# Allegro board RK3588S_Tablet_Demo_LP4XD200P232SD10H2_V11_20220218.brd (continued)
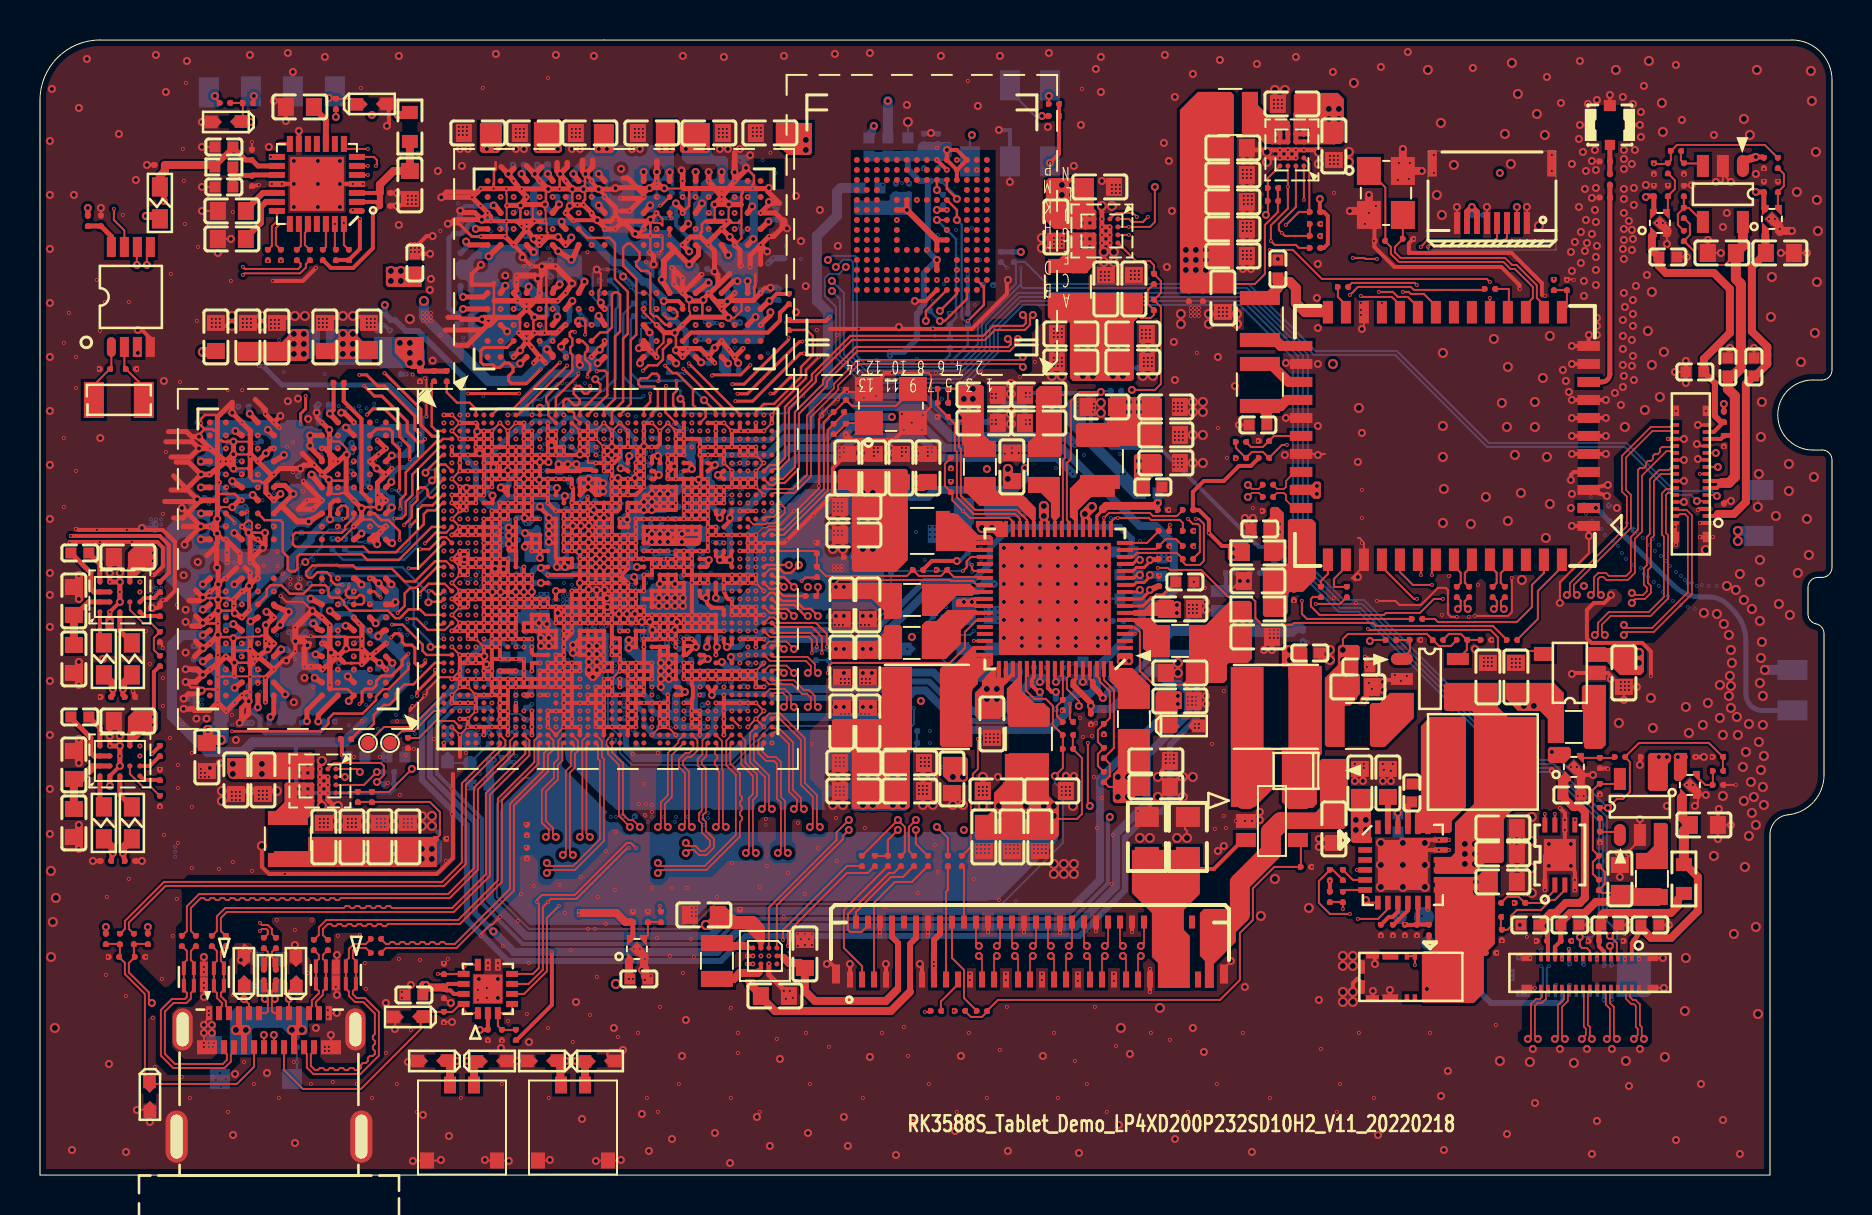
[diagram p0: board, top side]
## Routing (per net, layer and track width the routed paths; a pad name or vN(x,y) marks a point on that pad's centre or on a via; arc(x,y) is an arc through that point) (continued)
  TOP w0.3: 12.07,33.45 12.09,33.45 12.86,32.68 v5(13.43,32.68) ; U3801.R8 31.74,46.25 31.19,45.7 31.19,44.88 v5(31.09,44.77)
  BOTTOM w0.102: v5(9.72,29.53) 9.37,29.18 8.82,29.18 ; v5(26.67,50.05) 27.02,49.7 27.26,49.7 27.58,49.38 ; 8.82,29.18 8.5,29.18 v5(8.14,29.53) ; 8.82,29.18 8.5,28.86 8.5,28.62 v5(8.14,28.26) ; v5(27.94,50.05) 27.58,49.7 27.58,49.38 ; v5(8.05,33.08) 8.71,32.43 9.39,32.43 v5(9.71,32.1) ; 27.58,49.38 27.58,48.83 v5(27.94,48.48) ; v5(31.48,50.14) 30.83,49.49 30.83,48.81 v5(30.51,48.48)
  BOTTOM w0.2: v5(17.77,28.65) 17.39,28.46 17.34,28.46 17.34,28.44 ; v5(8.05,33.08) 8,33.03 7.54,33.03 ; v5(17.59,33.38) 17.59,33.7 C3834.1 17.62,33.75 ; 7.74,28.28 7.74,28.26 8.03,28.26 ; v5(31.81,40.58) 31.49,40.65 C3880.1 31.44,40.68
  BOTTOM w0.254: 27.43,40.74 27.56,40.6 27.84,40.6 27.84,40.6 v5(27.89,40.6) ; v5(25.98,44.53) 25.98,44.69 26.08,44.79 26.08,44.92 26.08,45.23 ; v5(30.48,42.13) 30.57,42.03 C3872.1 30.57,41.25 30,40.68 v5(30,40.59) ; v5(13.91,22.68) C3835.1 14.22,22.37 13.96,22.11 11.25,22.11 11,22.37 11,22.8 10.67,23.13 C3833.1 10.7,23.24 10.75,23.24 v5(10.89,23.39) ; v5(8.04,31.78) 7.87,31.78 7.17,32.48 7.77,33.08 v5(8.05,33.08) ; v5(12.01,27.5) 12.18,27.67 12.46,27.67 ; 12.46,28.16 12.46,27.67 ; 12.46,28.16 v5(12.44,28.16) 12.46,28.16 ; 12.46,28.16 12.51,28.21 12.92,28.21 12.97,28.26 ; 12.46,27.67 12.97,27.67 ; 12.97,27.67 13.27,27.67 13.41,27.67 13.5,27.58 v5(13.66,27.58) ; 12.97,27.67 12.97,28.26 ; v5(21.16,43.3) 20.91,43.05 C3878.1 20.74,43.05 20.44,43.36 20.44,46.82 20.7,47.08 21.07,47.08 21.39,47.4 21.39,47.47 C3875.1 21.79,47.36 v5(21.79,47.3) ; 26.57,45.73 v5(26.57,45.76) 26.57,45.73 ; 26.57,45.73 26.62,45.68 26.62,45.28 26.67,45.23 ; 26.57,45.73 26.08,45.73 ; v5(8.14,28.26) 8.03,28.26 7.17,29.13 7.57,29.53 v5(8.14,29.53) ; C3840.1 10.43,38.12 v5(10.49,38.06) ; v5(25.9,46.19) 26.08,46.02 26.08,45.73 ; v5(9.71,32.1) 9.68,32.06 9.68,29.58 v5(9.72,29.53) ; v5(16.07,32.07) 16.19,32.2 16.92,32.2 17.52,31.59 v5(17.61,31.59) ; 12.97,28.26 v5(13.53,28.82) ; v5(27.23,44.67) 26.67,45.23 ; 26.67,45.23 26.08,45.23 ; 26.08,45.23 26.08,45.73 ; v5(14.49,38.07) 14.44,38.12 C3829.1 ; C3881.1 36.53,43.76 v5(36.47,43.7) ; v5(30.18,50.15) 30.18,50.33 30.88,51.03 31.48,50.43 v5(31.48,50.14) ; v5(31.09,44.77) 31.06,44.8 31.06,45.13 ; v5(30.51,48.48) 30.47,48.52 27.98,48.52 v5(27.94,48.48) ; v5(13.43,32.68) 13.4,32.65 13.07,32.65 ; C3877.1 36.53,47.77 v5(36.42,47.67) ; 27.94,50.62 v5(27.94,50.05)
  BOTTOM w0.305: C3871.1 27.86,42.88 v5(27.94,42.96)
  BOTTOM w0.4: R3820.2 24.19,38.73 25.54,40.08 26.59,40.08 27.01,40.49 v5(27,40.5)
  vias: v4(12.69,42.05) v4(12.69,41.55) v4(12.69,41.05) v4(13.19,42.05) v4(13.19,41.55) v4(13.19,41.05) v4(46.19,38.8) v4(46.19,38.3) v4(46.64,38.8) v4(46.69,38.3) v5(27.94,51.3) v5(28.34,51.3) v5(31.09,51.3) v5(31.49,51.3)
VDD5V8_LCD: length 15
  TOP w0.1: 35.49,9.6 35.39,9.7
  TOP w0.2: v1(35.34,10.55) v1(35.64,10.55) ; v1(35.34,9.7) v1(35.64,9.7)
  TOP w0.3: 43.5,9.16 J5500.11 43.5,11.55 43.8,11.85 43.8,12.65
  TOP w0.4: 35.49,9.6 35.5,9.59 35.5,9.54 36.04,9 C9613.1 36.04,8.9 36.74,8.2 42.54,8.2 43.5,9.16
  S03 w0.1: 35.49,10.45 v1(35.34,10.55)
  S03 w0.2: v1(35.34,9.7) 35.49,9.7 ; 35.49,9.7 35.49,9.8 ; 35.49,9.7 v1(35.64,9.7) ; v1(35.64,10.55) v1(35.34,10.55)
  S03 w0.4: 35.49,9.8 35.49,10.45
VDD_0V75_S3: length 26.9
  TOP w0.15: 54.59,30.55 54.64,30.55 54.84,30.75 v5(54.99,30.75)
  TOP w0.2: U2200.14 54.59,30.55 ; U1000.AJ37 34.59,26.55 34.44,26.4 v5(34.34,26.4) 34.27,26.48 34.19,26.65 U1000.AJ36
  BOTTOM w0.1: C1105.1 36.79,27.25
  BOTTOM w0.3: v5(54.99,30.75) 54.64,31.1 C2255.1 54.59,31.2 54.59,31.8 53.99,32.4 48.54,32.4 47.49,31.36 47.49,30.55 46.64,29.7 44.24,29.7 41.79,27.25 36.19,27.25 35.79,26.85 C1125.1 35.1,26.55 34.95,26.4 v5(34.34,26.4)
VDD_CPU_BIG0_S0: length 65
  TOP w0.1: C2303.1 54.69,43.2 55.04,42.85 55.54,42.85 55.69,43 C2302.2 55.39,43.55 55.39,44.25 R2301.1 ; U2300.A4 54.39,46.1 54.79,45.7 55.49,45.7 55.69,45.5 R2301.2 56.04,44.7 56.04,44.1 C2302.1 56.04,43.4 56.04,39.55 55.74,39.25 v5(54.59,39.25)
  TOP w0.2: v5(30.19,33.65) 30.19,33.95 30.24,34 31.79,34 ; v5(30.19,33.65) 30.14,33.6 U1000.M25 ; v5(30.19,33.65) v5(30.19,33.25) ; v5(30.19,33.65) v5(30.59,33.65) ; U1000.K28 U1000.K27 30.59,33.87 v5(30.59,33.65) ; U1000.K28 v1(30.99,33.6) ; U1000.K28 U1000.K29 ; v5(30.59,33.65) v5(30.59,33.25) ; v5(30.59,33.65) 30.64,33.6 v1(30.99,33.6) ; v2(30.99,33.25) v1(30.99,33.6) ; v2(30.99,33.25) v2(31.39,33.25) ; v2(30.99,33.25) v5(30.59,33.25) ; v1(30.99,33.6) v1(31.39,33.6) ; v1(31.39,33.6) v5(31.39,34.05) U1000.K29 ; v1(31.39,33.6) v1(31.79,33.6) ; v1(31.39,33.6) v2(31.39,33.25) ; 31.79,34 U1000.K30 U1000.K29 ; 31.79,34 v1(31.79,33.6) ; v1(31.79,33.6) v2(31.79,33.25) v2(31.39,33.25) ; v5(30.59,33.25) 30.59,33.2 U1000.N25
  TOP w0.203: 29.36,32.79 29.39,32.82 29.39,33.19 v1(29.38,33.2) ; 29.36,32.79 v5(29.36,32.77) 29.38,32.77 29.38,32.4 ; 29.36,32.79 28.99,32.79 ; U1000.R24 29.38,32.4 ; 29.38,32.4 U1000.R23 28.99,32.79 ; 28.99,32.79 U1000.P23 29,32.8 v1(29.03,32.8) ; U1000.N24 U1000.M24 U1000.M25 U1000.N25 U1000.N24
  GND02 w0.254: v1(29.03,32.8) v5(29.36,32.77) v1(29.38,33.2)
  S03 w0.203: 29.37,33.2 29.37,32.77 v5(29.36,32.77) v1(29.03,32.8) 29.03,33.13 v2(29.05,33.16) 29.1,33.2 29.37,33.2 ; 29.37,33.2 v1(29.38,33.2)
  POWER05 w0.1: v5(54.59,39.25) 54.48,39.25 53.59,38.37 53.59,37.85 53.14,37.4 52.55,37.4 51.1,35.95 44.45,35.95 43.44,34.95 43.44,31.3 43.04,30.9 36.49,30.9 36.29,31.1 33.3,31.1 33.24,31.16 33.24,32.6 32.59,33.25 v2(31.79,33.25)
  S06 w0.2: v5(29.36,32.77) v2(29.05,33.16)
  S08 w0.305: v5(29.36,32.77) 29.05,33.08 v2(29.05,33.16)
  BOTTOM w0.3: 32.62,34.35 31.29,34.35 v5(30.99,34.05)
  vias: v4(52.14,41.35) v4(52.14,39.95) v4(52.64,41.35) v4(52.64,39.95) v4(53.64,41.35) v4(53.64,39.95) v4(54.14,41.35) v4(54.14,39.95) v5(30.59,34.05)
VDD_CPU_BIG1_MEM_S0: length 26.3
  TOP w0.2: v1(30.19,31.2) v6(30.59,31.2) v6(30.99,31.2) v1(31.39,31.2)
  GND02 w0.2: v1(31.39,31.2) v6(30.99,31.2) v6(30.59,31.2) v1(30.19,31.2) ; v7(30.79,31.28) v7(30.79,31.08)
  S03 w0.1: v2(31.09,31.15) 31.14,31.15 31.14,31.2 ; v2(30.49,31.15) 30.57,31.2 30.54,31.2 v2(30.49,31.15)
  S03 w0.2: 30.57,31.2 30.82,31.2 ; 30.82,31.2 v1(31.39,31.2) ; 30.82,31.2 30.82,31.08 v7(30.79,31.08) v7(30.79,31.28) ; 30.54,31.2 v1(30.19,31.2)
  POWER05 w0.4: 31.09,31 v2(31.09,31.15) v2(30.49,31.15)
  POWER05 w0.5: v2(46.04,32.2) v2(45.94,31.8) 44.59,31.8 43.14,30.35 38.64,30.35 38.24,29.95 34.54,29.95 34.24,29.65 32.44,29.65 31.09,31
  S08 w0.1: v3(46.44,31.7) v3(46.24,31.7) v2(45.94,31.8) ; v2(46.04,32.2) v3(46.34,32.1) v3(46.44,31.9)
  S08 w0.2: v3(31.39,31.1) v3(31.59,31.1) ; v3(30.79,31.05) 30.79,31 v3(30.89,30.9) ; v3(46.44,31.7) v3(46.44,31.9)
  S08 w0.4: v3(31.39,31.1) 31.39,31.15 v2(31.09,31.15) v2(30.49,31.15) ; v2(45.94,31.8) v2(46.04,32.2)
  BOTTOM w0.2: v3(30.89,30.9) 30.79,31 v3(30.79,31.05)
  BOTTOM w0.3: C1025.1 30.79,31.1 31.3,31.1 C1026.1 ; v3(31.39,31.1) v3(31.59,31.1) 31.91,31.1 C1076.1
  vias: v3(46.24,31.9)
VDD_CPU_BIG1_S0: length 85.1
  TOP w0.1: C2310.2 R2305.2 61.89,48.15 61.24,47.5 61.24,45.05 60.74,44.55 C1012.1 ; U2301.A4 61.39,49.85 C2310.1 R2305.1 61.39,48.1 v5(61.29,48)
  TOP w0.2: U1000.R29 U1000.R30 ; U1000.R29 31.39,32.4 ; U1000.R29 v5(31.39,32.05) ; U1000.R29 U1000.R28 ; U1000.R30 U1000.R31 ; U1000.R30 31.79,31.9 32.04,31.65 ; U1000.R31 32.19,32.05 32.09,31.95 v5(32.09,31.65) ; U1000.R31 U1000.R32 ; 30.98,32.39 U1000.R28 ; U1000.R28 v5(30.99,32.05) v5(31.39,32.05) ; U1000.R28 U1000.R27 ; U1000.U26 30.54,31.6 v5(30.59,31.65) ; 32.99,32.15 32.99,31.8 32.84,31.65 ; 32.99,32.15 32.89,32.05 31.39,32.03 ; 32.99,32.15 U1000.R33 U1000.R32 ; U1000.R27 U1000.R26 ; U1000.R27 v5(30.59,32.05) 30.54,32 U1000.T26 ; v5(31.39,32.05) v5(32.09,32.05) 32.59,32.05 U1000.R32
  TOP w0.203: U1000.R26 U1000.T26 U1000.U26
  TOP w0.4: v5(30.99,31.65) v5(31.39,31.65) ; v5(30.99,31.65) v5(30.59,31.65) v5(30.59,32.05) ; v5(30.99,31.65) v5(30.99,32.05) ; v5(31.39,31.65) v5(31.39,32.05) ; v5(31.39,31.65) v5(32.09,31.65) 32.84,31.65
  POWER04 w0.1: 32.99,27.16 32.99,26.9 33.04,26.85 42.54,26.85 43.69,25.7 52.99,25.7 54.14,26.85 63.34,26.85 66.79,30.31 66.79,45.65 64.64,47.8 61.49,47.8 v5(61.29,48)
  POWER04 w0.3: v5(30.59,32.05) v5(30.59,31.65)
  BOTTOM w0.25: v5(30.59,31.65) 30.17,31.33 30.14,31.33 ; 32.57,31.1 32.57,32.05 C1056.1
  vias: v2(49.59,33.45) v2(49.59,33.05) v3(49.09,33.5) v3(49.09,33.3) v3(49.09,33.1) v3(49.29,33.5) v3(49.29,33.3) v3(49.29,33.1) v4(57.29,46.25) v4(57.29,45.75) v4(57.29,45.25) v4(57.79,46.25) v4(57.79,45.75) v4(57.79,45.25) v4(58.29,46.25) v4(58.29,45.75) v4(58.29,45.25)
VDD_CPU_LIT_S0: length 59.3
  TOP w0.1: v3(46.14,30.2) 46.34,30.4 46.34,30.7 46.54,30.9 46.69,30.9 U2200.37
  TOP w0.2: U1000.AD27 U1000.AC27 U1000.AC28 ; U1000.AD27 31.31,28.8 31.36,28.85 v5(31.74,28.85) v5(32.14,28.85) 32.19,28.85 ; U1000.AD27 U1000.AE27 v5(30.94,28.45) ; U1000.AD27 U1000.AD26 ; v5(31.74,28.45) v5(32.14,28.45) ; v5(31.74,28.45) v5(31.34,28.45) ; v5(31.74,28.45) 31.79,28.5 U1000.AC30 ; v5(32.14,28.45) 32.19,28.45 ; v5(32.14,28.45) 32.19,28.5 U1000.AC31 ; U1000.AA29 U1000.AA30 U1000.AC30 ; U1000.AA29 U1000.AC29 ; U1000.AA29 U1000.AA28 U1000.AC28 ; v5(31.34,28.45) v5(30.94,28.45) ; v5(31.34,28.45) 31.39,28.5 U1000.AC29 ; v5(30.94,28.45) v5(30.94,28.85) U1000.AC28 ; U1000.AC30 U1000.AC29 ; U1000.AC30 U1000.AC31 ; v5(30.99,29.55) 30.99,29.6 U1000.AB31 U1000.AC31 ; U1000.AC28 U1000.AC29
  S03 w0.1: v2(45.84,30.2) v3(46.14,30.2)
  S08 w0.1: 39.04,32 37.04,32 35.39,30.35 35.39,28.53 34.96,28.1 33.05,28.1 32.44,28.71 32.44,29 31.89,29.55 ; v3(46.14,30.2) v2(45.84,30.2)
  S08 w0.9: 30.98,28.7 32.49,28.7
  BOTTOM w0.1: v3(46.14,30.2) 42.64,30.2 R2219.2 ; R2219.2 42.54,28.46 41.69,27.6 35.29,27.6 35.21,27.53 ; R2219.2 C2221.2 ; v4(41.14,32.7) 41.14,33.15 40.84,33.45
  BOTTOM w0.25: v5(31.34,28.45) 31.34,28 31.37,27.98 31.37,27.95 31.34,27.93 31.34,27.68
  BOTTOM w0.8: v4(41.14,31.3) 41.14,28.68 36.51,28.68
  BOTTOM w1: 40.84,33.45 40.74,33.55 38.14,33.55 36.29,31.71 36.29,28.89 36.51,28.68
  vias: v4(41.14,34.1) v4(41.64,34.1) v4(41.64,32.7) v4(41.64,31.3) v5(31.34,28.85) v5(31.74,29.55)
VDD_DDR_S0: length 54.8
  TOP w0.1: C2203.1 40.04,26.3 ; v3(39.39,25.1) 39.39,25.4 39.59,25.6 45.49,25.6 46.24,26.35 46.24,27.15 46.84,27.75 U2200.46
  TOP w0.2: v5(24.24,31.42) 24.24,31.55 24.29,31.6 U1000.U12 ; U1000.T12 v5(24.25,32.09) ; U1000.T12 U1000.U12 ; U1000.T12 U1000.T13 U1000.U13 ; v5(24.99,30.85) v1(24.99,31.2) ; v1(24.99,31.2) v1(24.59,31.2) 24.59,31.47 U1000.U12 ; v1(24.99,31.2) U1000.U13 ; v1(24.99,31.2) U1000.V14 ; U1000.U12 U1000.U13
  TOP w0.203: 27.79,34.01 U1000.K20 ; 27.79,34.01 v5(27.4,34.4) ; 27.79,34.01 U1000.L20 27.98,34 v5(28.16,34.18) ; U1000.K20 27.41,34.4 v5(27.4,34.4) ; U1000.K20 27.94,34.4 v5(28.16,34.18) ; U1000.K20 U1000.J20 ; v5(27.4,34.4) 27,34.4 U1000.K18 ; v5(27.4,34.4) 27.01,34 U1000.L18 U1000.K18 ; v5(27.4,34.4) 27.4,34.78 v5(27.43,34.8) ; U1000.J20 27.94,34.8 v5(28.16,34.59) v5(28.16,34.18) ; U1000.J20 v5(27.43,34.8) ; U1000.K18 U1000.J18 v5(27.43,34.8)
  GND02 w0.2: v5(24.24,31.42) v1(24.59,31.2) v1(24.99,31.2) v5(24.99,30.85)
  GND02 w0.305: v5(28.16,34.59) v5(28.16,34.18) ; v5(27.43,34.8) 27.4,34.78 v5(27.4,34.4)
  S03 w0.1: v3(39.39,25.1) v2(39.69,25.1)
  S03 w0.2: v5(24.99,30.85) v1(24.99,31.2) v1(24.59,31.2)
  S03 w0.305: v5(24.25,32.09) 24.24,32.08 v5(24.24,31.42) ; v5(27.4,34.4) 27.4,34.78 v5(27.43,34.8) v2(27.43,35.23) ; v2(28.14,35.01) 28.16,34.99 v5(28.16,34.59) v5(28.16,34.18)
  S03 w0.4: v2(24.59,30.85) v5(24.99,30.85) v5(24.24,31.42)
  S06 w0.1: v5(28.16,34.59) 28.16,34.5 31.74,34.5 34.84,31.4 34.84,26.8 35.79,25.85 38.94,25.85 v2(39.69,25.1)
  S08 w0.1: v2(39.69,25.1) v3(39.39,25.1)
  S08 w0.305: v2(27.43,35.23) v5(27.43,34.8) 27.4,34.78 v5(27.4,34.4) ; v5(28.16,34.18) v5(28.16,34.59) 28.16,34.99 v2(28.14,35.01) ; v5(24.24,31.42) 24.25,31.43 v5(24.25,32.09)
  S08 w0.4: v5(24.99,30.85) v2(24.59,30.85) 24.49,30.85 24.24,31.1 24.24,31.42 v5(24.24,31.42)
  GND09 w0.305: v5(24.25,32.09) 24.24,32.08 v5(24.24,31.42) ; v5(27.4,34.4) 27.4,34.78 v5(27.43,34.8) ; v5(28.16,34.59) v5(28.16,34.18)
  BOTTOM w0.1: v5(39.79,26.3) 39.74,26.25 R2200.1 39.44,26.25 C9922.1 ; v3(39.39,25.1) 39.44,25.15 R2200.2 39.44,25.75 C9922.2
  BOTTOM w0.25: v5(28.16,34.18) 28.47,34.43 28.47,34.48 v5(28.16,34.59) ; v5(27.43,34.8) 27.07,34.68 27.07,34.63 v5(27.4,34.4)
  vias: v5(40.19,26.3) v5(41.14,26.3) v5(41.54,26.3)
VDD_GPU_S0: length 71
  TOP w0.1: v1(46.69,26.7) U2200.49
  TOP w0.2: U1000.AJ18 U1000.AH18 U1000.AH19 ; U1000.AJ18 U1000.AK18 ; U1000.AJ18 v5(26.64,26.5) U1000.AK18 ; U1000.AJ18 U1000.AJ19 ; U1000.AK18 U1000.AK21 ; U1000.AK18 U1000.AL18 ; v5(27.44,25.25) 27.39,25.25 U1000.AJ19 ; U1000.AK21 U1000.AJ21 ; U1000.AK21 v1(28.19,26) ; U1000.AH20 U1000.AJ20 ; U1000.AH20 U1000.AH21 U1000.AJ21 ; U1000.AH20 U1000.AH19 ; U1000.AJ20 U1000.AJ19 ; U1000.AJ20 U1000.AJ21 ; U1000.AJ20 27.79,25.3 v5(27.84,25.25) ; U1000.AJ19 U1000.AH19 ; v5(27.84,25.65) 27.84,25.6 v1(28.19,25.6) ; v1(28.19,26) U1000.AL18 ; v1(28.19,26) v1(28.19,25.6) ; U1000.AN21 v1(28.19,25.6) ; U1000.AN21 U1000.AN22 U1000.AM22 v1(28.19,25.6) ; U1000.AN21 27.84,25.2 ; U1000.AL18 v5(26.64,26.1)
  TOP w0.3: v5(26.64,26.5) v5(26.64,26.1)
  TOP w0.4: v5(27.84,25.25) 27.84,25.1 v5(27.64,24.9) 27.44,25.1 v5(27.44,25.25)
  S03 w0.1: v2(46.39,26.7) v1(46.69,26.7)
  S03 w0.2: v1(28.19,25.25) v1(28.19,25.6) v1(28.19,26) U1000.AK21 v2(28.24,26.45)
  S03 w0.4: v5(27.84,26.05) 27.56,26.34 27.39,26.34 ; v2(28.24,26.45) v5(27.84,26.45) v5(27.44,26.45) 26.64,26.45 v5(26.64,26.5)
  S08 w0.1: v2(46.39,26.7) 46.39,26 44.64,24.25 43.79,24.25 43.69,24.15 v3(43.69,23.35)
  BOTTOM w0.1: R2208.2 43.09,22.45 36.54,22.45 34.59,20.5 29.59,20.5 28.99,21.1 28.99,21.93 28.39,22.53 28.39,25.1 28.24,25.25 27.89,25.25 27.84,25.2 v5(27.84,25.25) ; R2208.2 C2209.2 ; R2208.2 43.69,22.55 v3(43.69,23.35) ; v4(43.14,19.9) 43.32,20.08 43.32,20.68 43.32,20.94 43.84,21.47 C2209.1 R2208.1
  BOTTOM w2: 27.24,24.45 27.24,21.2 29.09,19.35 35.09,19.35 36.99,21.25 41.4,21.25 41.64,21.01 v4(41.64,19.9)
  vias: v4(41.14,19.9) v4(41.14,18.5) v4(41.64,18.5) v4(42.64,19.9) v4(42.64,18.5) v4(43.14,18.5) v5(27.44,26.05) v5(27.44,25.65)
VDD_LOGIC_S0: length 215.7
  TOP w0.1: C1059.1 49.99,17.8 51.84,17.8 52.09,18.05 52.09,20.85 C2230.2 R2238.2 ; v5(50.74,19.95) 51.14,20.35 C2230.1 R2238.1 50.64,22.5 50.64,23.45 50.29,23.8 49.72,23.8 49.29,24.23 49.29,24.9 49.34,24.95 U2200.56
  TOP w0.2: U1000.AH13 24.99,26.45 v5(25.04,26.45) 25.04,26.4 U1000.AK15 U1000.AJ15 ; U1000.AH13 U1000.AH14 ; U1000.AH13 U1000.AF13 ; U1000.AH13 U1000.AH12 ; U1000.AJ15 25.04,26.8 v5(25.04,26.85) ; U1000.AJ15 U1000.AH15 U1000.AH14 ; U1000.AF13 25.39,28 25.39,27.6 ; U1000.AF13 U1000.AF12 U1000.AH12 ; U1000.AH14 25.39,27.6 ; U1000.AH14 25.39,26.45 v5(25.44,26.45) ; 25.39,27.6 v5(24.94,27.6) 24.19,27.6 U1000.AH11 U1000.AH12 ; 25.39,27.6 v5(25.34,27.55)
  TOP w0.203: 32.19,26.46 32.2,26.45 32.76,26.45 ; 32.19,26.46 U1000.AL31 32.32,26 32.75,26.44 v5(32.79,26.4) 32.76,26.45 ; 32.19,26.46 v1(32.19,26.8) v1(32.59,26.8) 32.76,26.63 32.76,26.45 ; 33.39,30.57 33.39,30.75 v5(33.44,30.75) ; 33.39,30.57 33.39,30.47 33.32,30.4 U1000.Y33 ; 33.39,30.57 33.39,30.56 33.39,30.8 U1000.W33 ; v3(29.39,27.2) v3(28.99,27.2) ; 30.9,34.99 v5(30.94,35) ; 30.9,34.99 30.69,35.2 U1000.H27 ; 30.9,34.99 30.71,34.8 U1000.J27
  GND02 w0.2: v1(32.19,26.8) v1(32.59,26.8)
  GND02 w0.254: v5(24.94,27.6) 24.92,27.58 25.32,27.97 25.34,27.97 25.34,27.95
  GND02 w0.3: v5(32.79,26.4) 32.76,26.45 v1(32.59,26.8)
  GND02 w0.305: 24.91,27.57 24.92,27.56 v5(24.94,27.6) 24.94,27.57 25.34,27.57 v5(25.34,27.55) 25.35,27.57 25.35,27.95 25.34,27.95
  S03 w0.2: v1(32.19,26.8) 32.38,26.62 32.58,26.62 v5(32.79,26.4) v1(32.59,26.8) v1(32.19,26.8) ; v1(32.19,26.8) v2(32.39,26.4) ; v3(28.99,27.2) v2(29.19,27.45) v3(29.39,27.2) v3(28.99,27.2)
  S03 w0.4: v5(33.44,30.75) 33.39,30.8 33.39,32.69 32.49,33.59 32.49,33.78 31.67,34.6 31.34,34.6 v5(30.94,35) ; v5(32.79,26.4) v2(32.39,26.4)
  POWER04 w0.1: v2(32.39,26.4) 32.34,26.45
  POWER04 w0.4: v2(32.39,26.4) v5(32.79,26.4) ; v5(24.94,27.6) v5(25.34,27.55) 26.16,27.55 26.23,27.48 27.64,27.48 27.78,27.61 27.83,27.61 27.87,27.65 28.6,27.65 28.63,27.62 28.66,27.62 28.68,27.6 28.69,27.6 28.7,27.59 28.7,27.59 28.7,27.59 28.73,27.58 28.74,27.57 28.74,27.57 28.75,27.56 28.75,27.56 28.76,27.55 28.77,27.55 28.87,27.45 v2(29.19,27.45) 29.51,27.45 29.76,27.2 29.77,27.2 30.27,26.7 32.09,26.7 32.34,26.45
  POWER05 w0.1: 25.29,27.94 24.92,27.58 v5(24.94,27.6) ; v5(25.44,26.45) 25.44,25.81 26.05,25.2 26.09,25.2 26.49,24.8 26.94,24.8 27.09,24.65 27.09,21.6 30.49,18.2 34.19,18.2 34.44,17.95 38.34,17.95 38.59,18.2 38.89,18.2 38.99,18.1 43.64,18.1 43.74,18.2 43.74,19.15 44.09,19.5 50.29,19.5 v5(50.74,19.95)
  POWER05 w0.4: v2(32.39,26.4) 32.09,26.7 30.27,26.7 29.77,27.2 29.76,27.2 29.51,27.45 v2(29.19,27.45) 28.87,27.45 28.77,27.55 28.76,27.55 28.75,27.56 28.75,27.56 28.74,27.57 28.72,27.58 28.71,27.58 28.7,27.59 28.7,27.59 28.7,27.59 28.69,27.6 28.68,27.6 28.66,27.62 28.63,27.62 28.6,27.65 27.87,27.65 27.83,27.61 27.78,27.61 27.67,27.51 27.25,27.51 27.2,27.45 26.29,27.45 26.19,27.55 25.36,27.55 25.35,27.56 v5(25.34,27.55)
  POWER05 w0.5: v5(32.79,26.4) v2(32.39,26.4)
  S06 w0.4: 27.78,27.63 28.66,27.63 28.76,27.53 28.77,27.53 28.84,27.45 v2(29.19,27.45) ; 24.92,27.56 v5(24.94,27.6) 24.94,27.57 25.34,27.57 v5(25.34,27.55)
  S06 w0.45: 27.78,27.63 27.7,27.55 27.29,27.55 27.19,27.45 26.52,27.45 26.42,27.55 v5(25.34,27.55) ; v2(32.39,26.4) 32.39,26.5 31.94,26.5 31.74,26.7 30.29,26.7 29.64,27.35 29.19,27.35 v2(29.19,27.45)
  S06 w0.5: v5(33.44,30.75) 33.44,29.65 33.64,29.45 34.14,29.45 34.39,29.2 34.39,28.25 32.79,26.65 v5(32.79,26.4) v2(32.39,26.4)
  S08 w0.2: v3(29.39,27.2) v2(29.19,27.45) v3(28.99,27.2)
  S08 w0.203: v2(32.39,26.4) 32.33,26.4 32.39,26.56 32.53,26.56 32.64,26.45 32.76,26.45 v5(32.79,26.4)
  S08 w0.5: 33.23,27.05 33.17,27.05 32.52,26.4 v2(32.39,26.4)
  S08 w0.7: 33.23,27.05 34.74,27.05 35.94,25.85 35.94,20.75 36.49,20.2 37.88,20.2 38.88,19.2 47.44,19.2 47.94,18.7 v4(47.94,18.45)
  GND09 w0.305: v5(24.94,27.6) 24.94,27.57 25.34,27.57 v5(25.34,27.55)
  BOTTOM w0.1: v5(50.74,19.95) 50.74,19.6 51.14,19.2 51.14,16.6 48.09,13.55 33.74,13.55 32.49,12.3 24.44,12.3 22.84,13.9 22.84,18.55 24.14,19.85 25.45,19.85 ; v4(49.29,17.95) 49.29,17.55
  BOTTOM w0.2: v3(29.39,27.2) v3(28.99,27.2)
  BOTTOM w0.3: C1024.1 32.89,26.5 v5(32.79,26.4) ; v3(28.99,27.2) 28.99,27.5 C1020.1 ; C1021.1 30.99,35.05 v5(30.94,35) ; v5(33.44,30.75) 33.19,30.5 C1022.1
  BOTTOM w1: 25.45,25.95 25.45,27.11 24.99,27.56 24.99,27.54 25.39,27.14
  BOTTOM w1.3: 25.45,25.95 25.45,19.85 25.54,19.76 25.54,19.5
  BOTTOM w2: 25.54,19.5 23.99,17.95 23.99,14.61 24.81,13.8 32.29,13.8 33.19,14.7 47.14,14.7 49.29,16.85 49.29,17.55
  vias: v4(47.94,17.95) v4(49.29,18.45) v4(50.19,18.45) v4(50.69,18.45) v4(50.69,17.95) v5(25.44,26.85)
VDD_NPU_S0: length 48.5
  TOP w0.1: U2302.A4 15.41,19.1 15.46,19.15 R2309.1 C2318.2 17.44,19.15 v5(18.59,20.3) ; R2309.2 C2318.1 19.49,18.65 19.99,18.15 19.99,17 C1040.1 19.59,16.6 v4(19.59,16.3) v4(19.59,15.8)
  TOP w0.2: 31.39,24.8 v5(31.44,24.8) U1000.AP30 U1000.AN30 ; 31.39,24.8 U1000.AL29 ; 31.39,24.8 v5(31.04,24.8) ; U1000.AK28 U1000.AL28 ; U1000.AL28 30.99,24.4 v5(31.04,24.4) ; U1000.AL28 U1000.AL29 ; U1000.AJ25 U1000.AH25 U1000.AH26 ; U1000.AJ25 U1000.AK25 29.49,26.4 v5(29.44,26.35) v5(29.44,26.75) 29.49,26.8 U1000.AJ25 ; U1000.AL29 U1000.AK29 ; U1000.AL29 U1000.AL30 U1000.AM30 ; U1000.AN30 v5(31.44,25.2) v5(31.04,25.2) ; U1000.AN30 U1000.AM30 ; U1000.AM30 v5(31.44,25.6) v5(31.04,25.6)
  TOP w0.203: U1000.AK27 U1000.AK28 U1000.AK29
  S08 w0.1: v5(31.04,24.4) 31.19,24.25 31.19,24.15 ; 31.44,21.27 31.03,21.68 30.11,21.68 30.08,21.65 29.74,21.65 29.19,21.1 24.54,21.1 23.59,20.15 18.74,20.15 v5(18.59,20.3)
  S08 w2: 31.44,23.13 31.44,21.27 29.93,19.75 25.47,19.75 24.14,18.43 23.24,18.43
  BOTTOM w0.3: v5(31.44,25.6) 31.44,25.75 31.94,25.75 31.94,25.78 ; 19.92,16.6 19.89,16.6 v4(19.59,16.3)
  vias: v4(16.29,16.3) v4(16.29,15.8) v4(17.69,16.3) v4(17.69,15.8) v4(19.09,16.3) v4(19.09,15.8)
VDD_VDENC_S0: length 105.1
  TOP w0.1: U2200.24 51.44,32.65 51.34,32.75 51.34,35.6 51.54,35.8 51.54,38.7 51.99,39.15 v5(53.04,39.15) ; 53.79,38.45 C2240.1
  TOP w0.2: 25.84,30.8 U1000.W16 ; 25.84,30.8 v5(25.84,30.4) U1000.Y17 U1000.W17 U1000.W16 ; 25.84,30.8 C1036.1 U1000.U15 ; U1000.W16 26.19,30.45 v5(26.24,30.4) ; U1000.R15 25.49,32.4 v5(25.44,32.45) ; U1000.R15 U1000.T15 ; U1000.R15 U1000.P15 25.49,32.8 v5(25.44,32.85) v5(25.44,32.45) ; U1000.U15 25.44,31.6 v5(25.44,31.65) v5(25.44,32.05) ; U1000.U15 U1000.T15 ; U1000.T15 25.49,32 v5(25.44,32.05) ; v5(25.44,32.05) v5(25.44,32.45) ; U1000.AC16 v5(25.79,29.2) U1000.AD15
  TOP w0.203: v5(25,33.42) 24.98,33.42 24.98,33.4 25.44,32.94 v5(25.44,32.85)
  GND02 w0.305: v5(25,33.42) 25.02,33.44 25.26,33.21 25.3,33.21 ; v5(25.44,32.45) 25.43,32.45 25.45,32.43 25.45,31.63
  S03 w0.3: v5(25.84,30.4) 25.84,29.96 25.79,29.91 v5(25.79,29.2)
  S03 w0.4: v5(25,33.42) 25.44,32.98 v5(25.44,32.85) v5(25.44,32.45) v5(25.44,32.05) v5(25.44,31.65) 25.44,31.2 25.84,30.8 v5(25.84,30.4)
  POWER05 w0.1: v5(53.04,39.15) 53.91,39.15 54.54,39.79 54.54,43.55 53.99,44.1 40.54,44.1 40.29,43.85 39.35,43.85 38.69,44.51 38.69,44.55 36.79,46.45 36.79,50.45 35.49,51.75 19.69,51.75 15.69,47.75 v2(15.69,47.25)
  S06 w0.1: 26.17,35.9 26.3,35.9 26.59,36.2 26.59,39 25.59,40 23.84,40 20.81,43.04 20.81,45.14 20.24,45.7 16.04,45.7 15.69,46.05 v2(15.69,47.25)
  S08 w0.305: 25.44,32.44 25.43,32.45 v5(25.44,32.45)
  S08 w0.35: v5(26.24,30.4) v5(25.84,30.4) 25.84,30.8 25.44,31.2 v5(25.44,31.65)
  S08 w0.4: v5(25,33.42) 25.44,32.98 v5(25.44,32.85) v5(25.44,32.45) v5(25.44,32.05) v5(25.44,31.65)
  GND09 w0.4: v5(25.44,31.65) v5(25.44,32.05) v5(25.44,32.45) v5(25.44,32.85)
  BOTTOM w0.1: v4(54.44,38.65) 54.39,38.6 C2291.1 54.04,38.6 R2209.1 ; v5(53.04,39.15) 53.09,39.2 R2209.2 53.54,38.6 C2291.2 ; v4(54.94,38.65) v4(54.94,38.15) 54.94,37.45 C1090.1
  BOTTOM w0.2: v5(25.84,30.4) v5(26.24,30.4) 26.24,30.44 26.88,30.44 C1037.1
  BOTTOM w0.305: 25.44,32.04 25.44,32.04 ; 25.44,32.04 v5(25.44,32.05) ; 25.44,32.04 25.44,32.04 ; 25.44,32.04 25.4,32.04 ; 25.44,32.04 25.4,32.04 ; 25.44,32.04 25.44,32.04 25.44,32.04 ; 25.44,32.04 v5(25.44,32.05) ; 25.4,32.04 v5(25.44,32.05) ; 25.47,32.45 25.43,32.45 25.43,32.45 v5(25.44,32.45) ; v5(25.44,31.65) 25.45,31.63 25.47,31.65 ; v5(25.44,32.05) 25.44,32.04 ; 25.51,32 25.48,32 25.44,32.04
  vias: v2(12.94,47) v2(12.94,46.6) v2(13.34,47) v2(13.34,46.6) v2(13.74,47) v2(13.74,46.6) v4(17.54,45.2) v4(17.54,44.7) v4(18.04,45.2) v4(18.04,44.7) v4(54.44,38.15)
VDDA_0V75_S0: length 135
  TOP w0.15: v5(55.49,30) 55.49,29.91 55.21,29.63 54.82,29.63 54.69,29.5 U2200.11
  TOP w0.2: v1(24.99,25.6) 24.59,25.6 v1(24.59,25.2) ; v5(34.54,25.9) U1000.AM37 ; U1000.Y26 v5(29.84,30.4)
  TOP w0.25: v1(24.59,24) v1(24.19,24) ; v1(22.99,25.2) v1(23.79,25.2)
  S03 w0.2: v1(22.99,25.2) v2(23.39,25.2) v1(23.79,25.2) ; v1(24.19,24) 24.39,24 ; 24.39,24 24.39,24.1 ; 24.39,24 v1(24.59,24) ; v1(24.99,25.6) 24.89,25.5 24.87,25.5 24.59,25.23 v1(24.59,25.2) ; v2(30.14,24.1) v1(30.59,24.4) ; v2(32.69,24.4) v3(32.99,24.4)
  S03 w0.25: v5(34.54,25.9) 34.54,25.99 34.69,26.14 34.69,26.16 34.74,26.21 34.74,26.24 34.79,26.29
  S03 w0.3: 34.79,26.29 34.79,26.59 34.53,26.85 34.05,26.85 33.74,27.16 33.74,28 34.24,28.5 34.24,29.1 33.89,29.45 32.59,29.45 32.04,30 30.24,30 v5(29.84,30.4)
  S03 w0.39: v1(24.59,25.2) 24.59,24.97 24.59,24.5
  S03 w0.4: 24.39,24.1 24.39,24.2 24.59,24.4 24.59,24.5 v2(24.99,24.5)
  S06 w0.4: v2(56.39,23.95) 56.34,24 56.34,29.6 55.94,30 v5(55.49,30)
  S08 w0.15: 54.45,30.01 54.44,30 ; 54.45,30.01 54.84,29.63 55.21,29.63 55.54,29.96 v5(55.49,30) 55.54,30.05 55.21,30.38 54.82,30.38 54.45,30.01
  S08 w0.2: v3(47.49,29.55) v3(47.69,29.55) ; v3(32.99,24.4) 32.75,24.48 32.69,24.45 v2(32.69,24.4) ; v3(29.94,23.68) 29.95,23.68 29.98,23.7 30.14,23.7 v2(30.14,24.1) ; 23.79,25.1 v2(23.39,25.2) ; v2(56.39,23.95) v3(56.09,23.85) v3(56.09,24.05) v2(56.39,23.95)
  S08 w0.3: 47.62,29.63 v3(47.69,29.55) 47.62,29.48 48,29.1 53.53,29.1 53.83,29.4 53.83,29.92 53.74,30 48,30 47.62,29.63
  S08 w0.4: v5(34.54,25.9) 35.29,25.15 v3(35.29,23.7) v3(35.29,23.5) ; 24.73,24.55 24.08,25.2 v2(23.39,25.2) ; 24.73,24.55 24.44,24.26 24.44,24.05 v3(24.34,23.95) 24.26,23.87 24.19,23.87 24.2,23.87 24.2,23.53 24.19,23.53 24.19,21.75 23.19,20.75 v3(22.69,20.75) ; 24.73,24.55 24.73,24.5 v2(24.99,24.5)
  S08 w0.5: 54.44,30 53.74,30
  BOTTOM w0.1: 32.74,24.6 32.72,24.63 32.49,24.63 ; 55.99,23.95 v3(56.09,23.85) ; 22.49,19.5 C1711.1
  BOTTOM w0.2: v3(32.99,24.4) 32.99,24.48 32.84,24.63 ; v3(56.09,23.85) v3(56.09,24.05) ; v3(35.29,23.7) v3(35.29,23.5)
  BOTTOM w0.25: 32.72,24.63 33.09,24.63 ; v3(29.94,23.68) 29.81,23.38 C1613.1 29.92,23.38 30.17,23.13 30.17,23.11 30.19,23.08 30.19,22.5
  BOTTOM w0.29: v3(24.34,23.95) 24.55,24.16 24.55,24.86 24.31,25.1 C1712.1
  BOTTOM w0.3: v5(29.84,30.4) C1103.1 C1113.1 ; 30.19,22.5 30.74,21.95 33.38,21.95 33.69,22.27 33.69,23.1 32.89,23.1 32.74,23.25 32.74,24.6 ; C1712.1 C1710.1 23.47,25.17 C1725.1 C1507.1 ; v3(22.69,20.75) v3(22.49,20.75)
  BOTTOM w0.4: 35.51,26.08 35.46,26.08 35.07,25.9 v5(34.54,25.9) ; 35.51,26.08 C1603.1 ; 35.51,26.08 36.09,26.08 ; 36.09,26.08 C1602.1 ; 36.09,26.08 36.26,26.08 36.98,26.8 41.99,26.8 44.39,29.2 46.84,29.2 47.19,29.55 v3(47.49,29.55) v3(47.69,29.55) ; 33.69,23.1 34.09,23.5 v3(35.29,23.5) ; v5(55.49,30) 56.09,30 C2259.1 ; 55.99,23.95 55.94,23.9 55.94,22.75 52.99,19.8 52.99,14.75 51.44,13.2 34.78,13.2 33.53,11.95 24.3,11.95 22.49,13.76 v3(22.49,20.75)
